# KiCad board jetson-agx-thor-baseboard.kicad_pcb (continued)
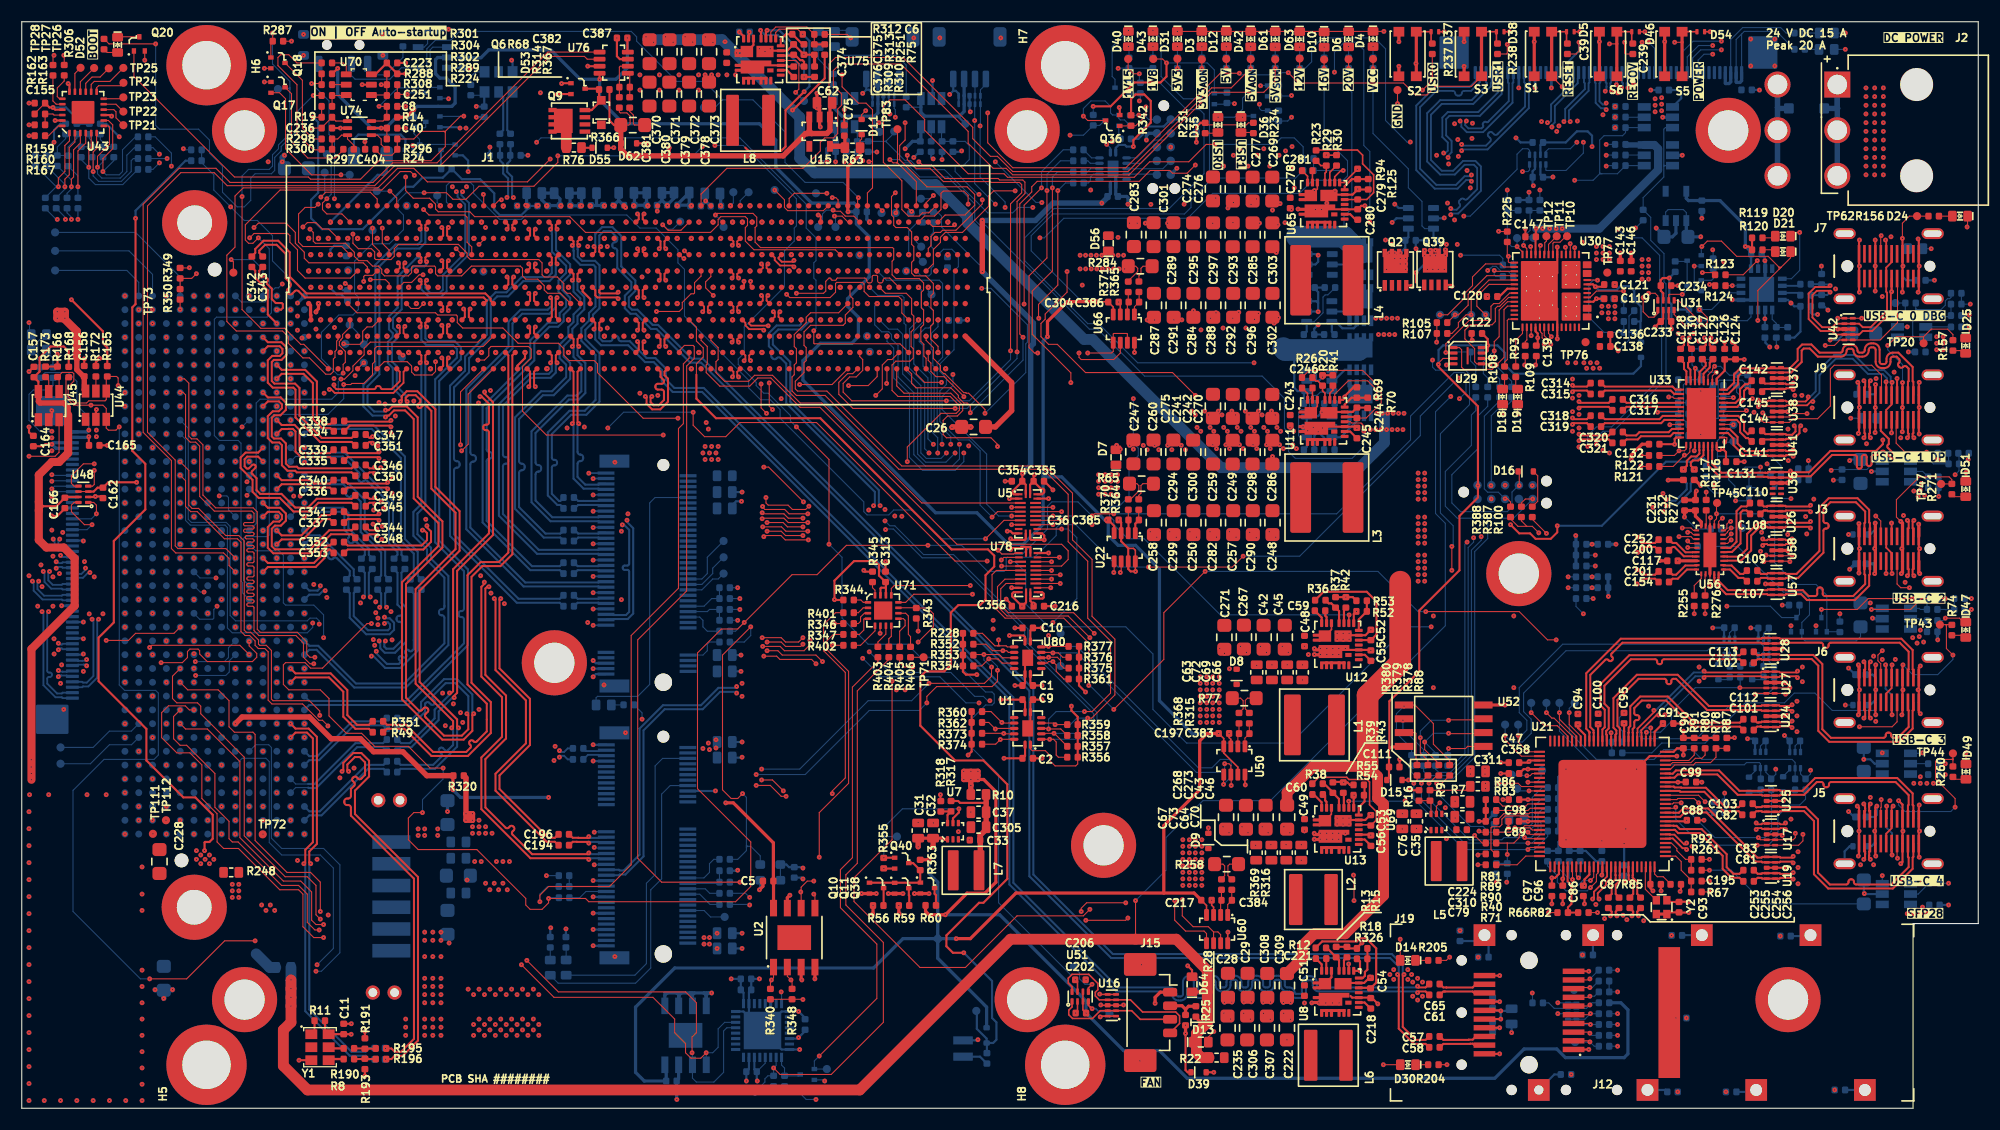
[diagram p0: board, top side]
## Library data of the parts (continued)
R102 = -: Datasheet: https://www.bourns.com/docs/product-datasheets/cr.pdf; Description: SMT Chip Resistor, 220 ohm, ± 1%, 250 mW, 1206 [3216 Metric]; MPN: CR1206-FX-2200ELF; Manufacturer: Bourns; License: Apache-2.0; Author: Antmicro; Val: 220R; Tolerance: 1%
R103-R105 R107 R157 R172 R173 R179 R180 R225 = -: Datasheet: https://www.bourns.com/docs/product-datasheets/cr.pdf; Description: SMD Chip Resistor, 4.7 kohm, ± 1%, 62.5 mW, 0402 [1005 Metric], Thick Film, General Purpose; Manufacturer: Bourns; MPN: CR0402-FX-4701GLF; Val: 4k7; License: Apache-2.0; Author: Antmicro; Tolerance: 1%
R113 R114 R188 R189 R192 R197 R372 = -: Datasheet: https://www.bourns.com/docs/product-datasheets/cr.pdf; Description: SMD Chip Resistor, 1 kohm, ± 1%, 63 mW, 0402 [1005 Metric], Thick Film, General Purpose; MPN: CR0402-FX-1001GLF; Manufacturer: Bourns; License: Apache-2.0; Author: Antmicro; Val: 1k; Tolerance: 1%
R128-R141 R265 = -: Datasheet: https://www.bourns.com/docs/product-datasheets/cr.pdf; Description: SMD Chip Resistor, 1 kohm, ± 1%, 63 mW, 0402 [1005 Metric], Thick Film, General Purpose; Manufacturer: Bourns; MPN: CR0402-FX-1001GLF; Val: 1k; License: Apache-2.0; Author: Antmicro; Tolerance: 1%
R147 R148 R364 R365 R367-R371 = -: Datasheet: https://www.bourns.com/docs/product-datasheets/cr.pdf; Description: SMD Chip Resistor, 27 ohm, ± 1%, 63 mW, 0402 [1005 Metric], Thick Film, General Purpose; Manufacturer: Bourns; MPN: CR0402-FX-27R0GLF; Val: 27R; License: Apache-2.0; Author: Antmicro; Tolerance: 1%
R154 R155 = -: Datasheet: https://www.mouser.com/datasheet/2/447/YAGEO_PYu_RC_Group_51_RoHS_L_12-3313492.pdf; Description: SMD Chip Resistor, 2 Mohm, ± 1%, 62.5 mW, 0402 [1005 Metric], Thick Film, General Purpose; MPN: RC0402FR-072ML; Manufacturer: YAGEO; License: Apache-2.0; Author: Antmicro; Val: 2M; Tolerance: 1%
R200 = -: Datasheet: https://www.bourns.com/docs/product-datasheets/cr.pdf; Description: SMD Chip Resistor, 330 ohm, ± 1%, 62.5 mW, 0402 [1005 Metric], Thick Film, General Purpose; MPN: CR0402-FX-3300GLF; Manufacturer: Bourns; License: Apache-2.0; Author: Antmicro; Val: 330R; Tolerance: 1%
R203 R220 R288 = -: Datasheet: https://www.bourns.com/docs/product-datasheets/cr.pdf; Description: SMD Chip Resistor, 47 kohm, ± 1%, 62.5 mW, 0402 [1005 Metric], Thick Film, General Purpose; MPN: CR0402-FX-4702GLF; Manufacturer: Bourns; License: Apache-2.0; Author: Antmicro; Val: 47k; Tolerance: 1%
R209 R210 = -: Datasheet: https://www.bourns.com/docs/product-datasheets/cr.pdf; Description: SMD Chip Resistor, 47 kohm, ± 1%, 62.5 mW, 0402 [1005 Metric], Thick Film, General Purpose; Manufacturer: Bourns; MPN: CR0402-FX-4702GLF; Val: 47k; License: Apache-2.0; Author: Antmicro; Tolerance: 1%
R212 R218 R219 R223 R264 = -: Datasheet: https://industrial.panasonic.com/cdbs/www-data/pdf/RDA0000/AOA0000C301.pdf; Description: SMD Chip Resistor, Jumper, 0 ohm, 100 mW, 0402 [1005 Metric], Thick Film, General Purpose; MPN: ERJ2GE0R00X; Manufacturer: Panasonic; License: Apache-2.0; Val: 0R; Current: 1A; Author: Antmicro; Public: False
R226 = -: Datasheet: https://industrial.panasonic.com/cdbs/www-data/pdf/RDA0000/AOA0000C301.pdf; Description: SMD Chip Resistor, Jumper, 0 ohm, 100 mW, 0402 [1005 Metric], Thick Film, General Purpose; Manufacturer: Panasonic; MPN: ERJ2GE0R00X; Val: 0R; License: Apache-2.0; Author: Antmicro; Current: 1A; Public: False
R239 = -: Datasheet: https://www.bourns.com/docs/product-datasheets/cr.pdf; Description: SMD Chip Resistor, 100 kohm, ± 1%, 62.5 mW, 0402 [1005 Metric], Thick Film, General Purpose; MPN: CR0402-FX-1003GLF; Manufacturer: Bourns; License: Apache-2.0; Author: Antmicro; Val: 100k; Tolerance: 1%; Current: 1A
R240 = -: Datasheet: https://www.bourns.com/docs/product-datasheets/cr.pdf; Description: SMD Chip Resistor, 470 ohm, ± 1%, 62.5 mW, 0402 [1005 Metric], Thick Film, General Purpose; MPN: CR0402-FX-4700GLF; Manufacturer: Bourns; License: Apache-2.0; Author: Antmicro; Val: 470R; Tolerance: 1%; Current: 1A
R251 = -: Datasheet: https://www.bourns.com/docs/product-datasheets/cr.pdf; Description: SMD Chip Resistor; Manufacturer: Bourns; MPN: CR0402-FX-2371GLF; Val: 2k37; License: Apache-2.0; Author: Antmicro; Tolerance: 1%
R255 R279 R280 = -: Datasheet: https://www.bourns.com/docs/product-datasheets/cr.pdf; Description: SMD Chip Resistor, 200 kohm, ± 1%, 62.5 mW, 0402 [1005 Metric], Thick Film, General Purpose; Manufacturer: Bourns; MPN: CR0402-FX-2003GLF; Val: 200k; License: Apache-2.0; Author: Antmicro; Tolerance: 1%
R261 R263 = -: Datasheet: https://www.bourns.com/docs/product-datasheets/cr.pdf; Description: SMD Chip Resistor; MPN: CR0402-FX-4302GLF; Manufacturer: Bourns; License: Apache-2.0; Author: Antmicro; Val: 43k; Tolerance: 1%
R267 = -: Datasheet: https://eu.mouser.com/datasheet/2/315/AOA0000C304-1149620.pdf; Description: SMD Chip Resistor; MPN: ERJ-2RKF8873X; Manufacturer: Panasonic; License: Apache-2.0; Author: Antmicro; Val: 887k; Tolerance: 1%
R286 = -: Datasheet: https://www.bourns.com/docs/product-datasheets/cr.pdf; Description: SMD Chip Resistor; MPN: CR0402-FX-1005GLF; Manufacturer: Bourns; License: Apache-2.0; Author: Antmicro; Val: 10M; Tolerance: 1%
R289 = -: Datasheet: https://www.bourns.com/docs/product-datasheets/cr.pdf; Description: SMD Chip Resistor, 10 kohm, ± 1%, 62.5 mW, 0402 [1005 Metric], Thick Film, General Purpose; MPN: CR0402-FX-1002GLF; Manufacturer: Bourns; License: Apache-2.0; Author: Antmicro; Val: 10k; Tolerance: 1%; Current: 1A
R296 = -: Datasheet: https://www.bourns.com/docs/product-datasheets/cr.pdf; Description: SMD Chip Resistor, 49.9 kohm, ± 1%, 63 mW, 0402 [1005 Metric], Thick Film, General Purpose; MPN: CR0402-FX-4992GLF; Manufacturer: Bourns; License: Apache-2.0; Author: Antmicro; Val: 49k9; Tolerance: 1%; Current: 1A
R308 = -: Datasheet: https://www.bourns.com/docs/product-datasheets/cr.pdf; Description: SMD Chip Resistor, 100 kohm, ± 1%, 62.5 mW, 0402 [1005 Metric], Thick Film, General Purpose; MPN: CR0402-FX-1003GLF; Manufacturer: Bourns; License: Apache-2.0; Author: Antmicro; Val: 100k; Tolerance: 1%; Public: False
R314-R316 = -: Datasheet: https://www.bourns.com/docs/product-datasheets/cr.pdf; Description: SMD Chip Resistor, 27 ohm, ± 1%, 63 mW, 0402 [1005 Metric], Thick Film, General Purpose; MPN: CR0402-FX-27R0GLF; Manufacturer: Bourns; License: Apache-2.0; Author: Antmicro; Val: 27R; Tolerance: 1%
R317 = -: Datasheet: https://www.bourns.com/docs/product-datasheets/cr.pdf; Description: SMD Chip Resistor, 30 kohm, ± 1%, 63 mW, 0402 [1005 Metric], Thick Film, General Purpose; MPN: CR0402-FX-3002GLF; Manufacturer: Bourns; License: Apache-2.0; Author: Antmicro; Val: 30k; Tolerance: 1%
R326 = -: Datasheet: https://www.bourns.com/docs/product-datasheets/cr.pdf; Description: SMD Chip Resistor, 191 kohm, ± 1%, 100 mW, 0402 [1005 Metric], Thick Film, Precision; MPN: CR0402-FX-1913GLF; Manufacturer: Bourns; License: Apache-2.0; Author: Antmicro; Val: 191k; Tolerance: 1%
R330 R331 R336 R337 = -: Datasheet: https://www.bourns.com/docs/product-datasheets/cr.pdf; Description: SMD Chip Resistor, 2.2 ohm, ± 1%, 62.5 mW, 0402 [1005 Metric], Thick Film, General Purpose; MPN: CR0402-FX-2R20GLF; Manufacturer: Bourns; License: Apache-2.0; Author: Antmicro; Val: 2R2; Tolerance: 1%
R350 = -: Datasheet: https://www.bourns.com/docs/product-datasheets/cr.pdf; Description: SMD Chip Resistor, 100 ohm, ± 1%, 62.5 mW, 0402 [1005 Metric], Thick Film, General Purpose; MPN: CR0402-FX-1000GLF; Manufacturer: Bourns; License: Apache-2.0; Author: Antmicro; Val: 100R; Tolerance: 1%
S1-S3 S5 S6 = -: Datasheet: http://www.farnell.com/datasheets/2631211.pdf; Description: Tactile Switch, KMR 2 Series, Top Actuated, Surface Mount, Oval Button, 120 gf, 50mA at 32VDC; MPN: KMR211NGLFS; Manufacturer: C&K; Author: Antmicro; License: Apache-2.0
SW2 = -: Datasheet: https://www.mouser.com/datasheet/2/60/pcm-1841544.pdf; Description: Slide switch; Manufacturer: C&K; MPN: PCM12SMTR; Author: Antmicro; License: Apache-2.0
TP1-TP115 = -: Description: SMT test point; Author: Antmicro; License: Apache-2.0
U1 U80 = -: Datasheet: https://www.nxp.com/docs/en/data-sheet/NTS0104.pdf; Description: Voltage Level Translator Bidirectional 1 Circuit 4 Channel 50Mbps 14-DHVQFN (2.5x3); MPN: NTS0104BQ; Manufacturer: NXP; Author: Antmicro; License: Apache-2.0
U2 U54 = -: Datasheet: https://ww1.microchip.com/downloads/aemDocuments/documents/MPD/ProductDocuments/DataSheets/20006330A.pdf; Description: EEPROM, 1 Kbit, 128 x 8bit, Serial I2C (2-Wire), 1 MHz, SOIC-8; Manufacturer: Microchip Technology; MPN: AT24CS01-SSHM-B; Author: Antmicro; License: Apache-2.0
U5 U78 = -: Datasheet: https://www.ti.com/lit/ds/symlink/sn74axc8t245.pdf?ts=1702327536011; Description: 8-bit dual-supply bus transceiver; MPN: SN74AXC8T245RJWR; Manufacturer: Texas Instruments; Author: Antmicro; License: Apache-2.0
U6 U61-U64 = -: Datasheet: https://www.analog.com/media/en/technical-documentation/data-sheets/4412fb.pdf; Description: Ideal diode controller; MPN: LTC4412IS6#TRMPBF; Manufacturer: Analog Devices; Author: Antmicro; License: Apache-2.0
U7 U69 = -: Datasheet: https://www.ti.com/lit/ds/symlink/tps564247.pdf?ts=1713526387938&ref_url=https%253A%252F%252Fwww.mouser.pl%252F; Description: Switching Voltage Regulators 3-V to 16-V input voltage, 4-A FCCM mode, synchronous buck converter in SOT-563 package 6-SOT-5X3 -40 to 125; Author: Antmicro; License: Apache-2.0; Manufacturer: Texas Instruments
U8 U11-U13 U65 U75 = -: Datasheet: https://www.vishay.com/docs/74589/sic431.pdf; Description: DC/DC Synchronous Regulator, Adjustable, 3V to 24VIn, 0.6V to 22V/24AOut, 1MHz, MLP44-24L; Manufacturer: Vishay; Author: Antmicro; License: Apache-2.0
U14 = -: Datasheet: https://eu.mouser.com/datasheet/2/196/Infineon_OPTIGA_TPM_SLB_9673_FW26_DataSheet_v01_30-3363760.pdf; Description: Security ICs / Authentication ICs; Manufacturer: Infineon; Author: Antmicro; License: Apache-2.0
U15 U32 = -: Datasheet: https://www.mouser.com/datasheet/2/308/NCP718_D-1224359.pdf; Description: Linear Voltage Regulator IC Positive Fixed 1 Output 300mA TSOT-23-5; Manufacturer: ON Semiconductor; Author: Antmicro; License: Apache-2.0
U16 U17 U19 U24-U28 U36-U38 U41 U42 U57 U58 U67 U68 U73 = -: Datasheet: https://www.ti.com/lit/ds/symlink/tpd4e05u06-q1.pdf?HQS=dis-mous-null-mousermode-dsf-pf-null-wwe&ts=1663591265741&ref_url=https%253A%252F%252Fwww.mouser.com%252F; Description: TVS diode array, 12 kV, USON-10, 5.5 V, 0.5 pF; Manufacturer: Texas Instruments; Author: Antmicro; License: Apache-2.0
U18 U20 U23 U35 U40 U44-U47 U53 U55 = -: Datasheet: https://www.mouser.com/datasheet/2/115/DIOD_S_A0008958405_1-2543193.pdf; Description: Power Load Distribution Switch, High Side, Active High, 1 Output, 5.5 V, 3.6 A, 0.04 ohm, TSOT-26-6; MPN: AP22615AWU-7; Manufacturer: Diodes Incorporated; Author: Antmicro; License: Apache-2.0
U21 = -: Datasheet: https://ww1.microchip.com/downloads/en/DeviceDoc/00003852A.pdf; Description: 4-Port USB 3.2 Hub, 2x Type-C with Power Delivery support, 1x USB 3.2, 1x USB 2.0; MPN: USB7252CT-I/KDX; Manufacturer: Microchip Technology; Author: Antmicro; License: Apache-2.0
U22 U50 U60 U66 U76 = -: Datasheet: https://www.ti.com/lit/ds/symlink/ina219.pdf?ts=1713856455637&ref_url=https%253A%252F%252Fwww.mouser.es%252F; Description: Zerø-Drift, Bidirectional Current/Power Monitor With I2C Interface; Manufacturer: Texas Instruments; Author: Antmicro; License: Apache-2.0
U29 = -: Datasheet: https://www.mouser.com/datasheet/2/949/w25q80dv_dl_revh_10022015-1489677.pdf; Description: FLASH - NOR Memory IC 8Mbit SPI - Quad I/O 104 MHz 8-USON (2x3); MPN: W25Q80DVUXIE TR; Manufacturer: Winbond; Author: Antmicro; License: Apache-2.0
U30 = -: Datasheet: https://www.ti.com/lit/ds/symlink/tps65988.pdf?ts=1662726631004&ref_url=https%253A%252F%252Fwww.ti.com%252Fproduct%252FTPS65988; Description: USB, Type-C Controller PMIC 56-VQFN (7x7); Manufacturer: Texas Instruments; License: Apache-2.0; Author: Antmicro
U31 U48 U49 U51 = -: Datasheet: http://www.farnell.com/datasheets/1760723.pdf; Description: Transceiver, 1.65 V to 3.6 V, XSON-8; MPN: NTS0102GT; Manufacturer: NXP; Author: Antmicro; License: Apache-2.0
U33 = -: Datasheet: https://www.ti.com/lit/ds/sllsew2d/sllsew2d.pdf?ts=1662107117482&ref_url=https%253A%252F%252Fwww.google.com%252F; Description: Analog & Digital Crosspoint ICs USB Type-C DP ALT Mode, 10-Gbps linear redriver crosspoint switch 40-WQFN 0°C to 70°C; MPN: TUSB1046-DCIRNQT; Manufacturer: Texas Instruments; Author: Antmicro; License: Apache-2.0
U34 = -: Datasheet: https://ftdichip.com/wp-content/uploads/2021/10/DS_FT230X.pdf; Description: USB Interface, USB-UART Converter, USB 2.0, 2.97 V, 5.5 V, QFN, 16 Pins; Manufacturer: FTDI Chip; MPN: FT230XQ-R; Author: Antmicro; License: Apache-2.0
U43 = -: Datasheet: https://www.mouser.com/datasheet/2/115/DIOD_S_A0003139195_1-2542233.pdf; Description: Logic signal switch/multiplexer/decoder; Manufacturer: Diodes Incorporated; Author: Antmicro; License: Apache-2.0
U52 = -: Datasheet: https://www.mouser.com/datasheet/3/282/1/SST26VF064B-SST26VF064BA-2-5V-3-0V-64-Mbit-Serial-Quad-IO--SQI--Flash-Memory-20005119K.pdf; Description: 64-Mbit 2.3V-3.6V, SQI Flash Memory, -40°C to +85°C; MPN: SST26VF064B-104I/SM; Manufacturer: Microchip Technology; Author: Antmicro; License: Apache-2.0
U56 = -: Datasheet: https://www.ti.com/lit/ds/symlink/hd3ss3220.pdf?ts=1663000043694&ref_url=https%253A%252F%252Fwww.google.com%252F; Description: USB Interface IC 10-Gbps USB 3.1 Type-C 2:1 mux with DRP Controller 30-WQFN -40°C to 85°C; Manufacturer: Texas Instruments; Author: Antmicro; License: Apache-2.0
U59 = -: Datasheet: https://www.ti.com/lit/ds/symlink/txu0304.pdf?ts=1637748643258&ref_url=https%253A%252F%252Fwww.ti.com%252Fproduct%252FTXU0304; Description: Logic translator/level shifter; Manufacturer: Texas Instruments; Author: Antmicro; License: Apache-2.0
U70 = -: Datasheet: https://datasheets.maximintegrated.com/en/ds/MAX16150.pdf; Description: Pushbutton On/Off Controller, Latched Output, 1.3 to 5.5 V Supply, 50 ms Debounce Time, SOT-23-6; Manufacturer: Maxim Integrated Products; MPN: MAX16150AUT+T; License: Apache-2.0; Author: Antmicro
U71 = -: Datasheet: https://eu.mouser.com/datasheet/2/302/PCAL6408A-3139197.pdf; Description: I/O Expander, 8 bit, I2C, 1.65-5.5 V, HVQFN, 16 Pins; MPN: PCAL6408ABSHP; Manufacturer: NXP; Author: Antmicro; License: Apache-2.0
U72 = -: Datasheet: https://www.ti.com/lit/ds/symlink/tps3840.pdf?HQS=dis-mous-null-mousermode-dsf-pf-null-wwe&DCM=yes&ref_url=https%3A%2F%2Fwww.mouser.com%2F&distId=26; Description: Voltage supervisor; Manufacturer: Texas Instruments; Author: Antmicro; License: Apache-2.0; ki_fp_filters: DBV0005A_N DBV0005A_M DBV0005A_L
U74 = -: Datasheet: https://www.ti.com/lit/gpn/sn74lvc2g07; Description: Buffer / Line Driver, SN74LVC2G07DCKR, 1.65 V to 5.5 V, SC-70-5; Manufacturer: Texas Instruments; Author: Antmicro; License: Apache-2.0
Y1 = -: Datasheet: https://www.diodes.com/assets/Datasheets/NX324.pdf; Description: 100 MHz XO (Standard) HCSL Oscillator 3.3V Enable/Disable 6-SMD, No Lead; Manufacturer: Diodes Incorporated; MPN: NX3241E0100.000000; Val: 100 MHz; Author: Antmicro; License: Apache-2.0
Y2 = -: Datasheet: https://ecsxtal.com/store/pdf/ECS-2016MV.pdf; Description: Oscillator, 25 MHz, HCMOS, SMD, 2mm x 1.6mm, MultiVolt ECS-2016MV Series; MPN: ECS-2016MV-250-CN-TR; Manufacturer: ECS Inc. International; Val: 25 MHz; Author: Antmicro; License: Apache-2.0
Y3 = -: Datasheet: https://ecsxtal.com/store/pdf/ECS-327MVATX.pdf; Description: 32.768 kHz XO (Standard) CMOS Oscillator 1.6V ~ 3.6V Enable/Disable 4-SMD, No Lead; Manufacturer: ECS Inc. International; MPN: ECS-327MVATX-2-CN-TR3; Val: 32.768 kHz; Author: Antmicro; License: Apache-2.0
Y5 = -: Datasheet: https://eu.mouser.com/datasheet/2/3/AK3LP-3318362.pdf; Description: 156.25 MHz XO (Standard) HCSL Oscillator 3.3V Enable/Disable 6-SMD, +/-25ppm; MPN: AK3LPHEF1-156.2500T; Manufacturer: Abracon; Val: 156.25MHz; Author: Antmicro; License: Apache-2.0

## Footprints (pads in the part's own frame, mm; a bottom-side part is the same pattern mirrored in y, then rotated)
ASP-218650-01_mounting_holes
  round 6 hole 3.2 unplated: (-31.5,-1.88) (31.5,-1.84)
  round 1.27 hole 1.27 unplated: (-27.19,-3.05) (27.19,0)
  round 0.64 smd: A01(24.765,5.715) A02(23.495,5.715) A03(22.225,5.715) A04(20.955,5.715) A05(19.685,5.715) A06(18.415,5.715) A07(17.145,5.715) A08(15.875,5.715) A09(14.605,5.715) A10(13.335,5.715) A11(12.065,5.715) A12(10.795,5.715) A13(9.525,5.715) A14(8.255,5.715) A15(6.985,5.715) A16(5.715,5.715) A17(4.445,5.715) A18(3.175,5.715) A19(1.905,5.715) A20(0.635,5.715) A21(-0.635,5.715) A22(-1.905,5.715) A23(-3.175,5.715) A24(-4.445,5.715) A25(-5.715,5.715) A26(-6.985,5.715) A27(-8.255,5.715) A28(-9.525,5.715) A29(-10.795,5.715) A30(-12.065,5.715) A31(-13.335,5.715) A32(-14.605,5.715) A33(-15.875,5.715) A34(-17.145,5.715) A35(-18.415,5.715) A36(-19.685,5.715) A37(-20.955,5.715) A38(-22.225,5.715) A39(-23.495,5.715) A40(-24.765,5.715) B01(24.765,4.445) B02(23.495,4.445) B03(22.225,4.445) B04(20.955,4.445) B05(19.685,4.445) B06(18.415,4.445) B07(17.145,4.445) B08(15.875,4.445) B09(14.605,4.445) B10(13.335,4.445) B11(12.065,4.445) B12(10.795,4.445) B13(9.525,4.445) B14(8.255,4.445) B15(6.985,4.445) B16(5.715,4.445) B17(4.445,4.445) B18(3.175,4.445) B19(1.905,4.445) B20(0.635,4.445) B21(-0.635,4.445) B22(-1.905,4.445) B23(-3.175,4.445) B24(-4.445,4.445) B25(-5.715,4.445) B26(-6.985,4.445) B27(-8.255,4.445) B28(-9.525,4.445) B29(-10.795,4.445) B30(-12.065,4.445) B31(-13.335,4.445) B32(-14.605,4.445) B33(-15.875,4.445) B34(-17.145,4.445) B35(-18.415,4.445) B36(-19.685,4.445) B37(-20.955,4.445) B38(-22.225,4.445) B39(-23.495,4.445) B40(-24.765,4.445) C01(24.765,3.175) C02(23.495,3.175) C03(22.225,3.175) C04(20.955,3.175) C05(19.685,3.175) C06(18.415,3.175) C07(17.145,3.175) C08(15.875,3.175) C09(14.605,3.175) C10(13.335,3.175) C11(12.065,3.175) C12(10.795,3.175) C13(9.525,3.175) C14(8.255,3.175) C15(6.985,3.175) C16(5.715,3.175) C17(4.445,3.175) C18(3.175,3.175) C19(1.905,3.175) C20(0.635,3.175) C21(-0.635,3.175) C22(-1.905,3.175) C23(-3.175,3.175) C24(-4.445,3.175) C25(-5.715,3.175) C26(-6.985,3.175) C27(-8.255,3.175) C28(-9.525,3.175) C29(-10.795,3.175) C30(-12.065,3.175) C31(-13.335,3.175) C32(-14.605,3.175) C33(-15.875,3.175) C34(-17.145,3.175) C35(-18.415,3.175) C36(-19.685,3.175) C37(-20.955,3.175) C38(-22.225,3.175) C39(-23.495,3.175) C40(-24.765,3.175) D01(24.765,1.905) D02(23.495,1.905) D03(22.225,1.905) D04(20.955,1.905) D05(19.685,1.905) D06(18.415,1.905) D07(17.145,1.905) D08(15.875,1.905) D09(14.605,1.905) D10(13.335,1.905) D11(12.065,1.905) D12(10.795,1.905) D13(9.525,1.905) D14(8.255,1.905) D15(6.985,1.905) D16(5.715,1.905) D17(4.445,1.905) D18(3.175,1.905) D19(1.905,1.905) D20(0.635,1.905) D21(-0.635,1.905) D22(-1.905,1.905) D23(-3.175,1.905) D24(-4.445,1.905) D25(-5.715,1.905) D26(-6.985,1.905) D27(-8.255,1.905) D28(-9.525,1.905) D29(-10.795,1.905) D30(-12.065,1.905) D31(-13.335,1.905) D32(-14.605,1.905) D33(-15.875,1.905) D34(-17.145,1.905) D35(-18.415,1.905) D36(-19.685,1.905) D37(-20.955,1.905) D38(-22.225,1.905) D39(-23.495,1.905) D40(-24.765,1.905) E01(24.765,0.635) E02(23.495,0.635) E03(22.225,0.635) E04(20.955,0.635) E05(19.685,0.635) E06(18.415,0.635) E07(17.145,0.635) E08(15.875,0.635) E09(14.605,0.635) E10(13.335,0.635) E11(12.065,0.635) E12(10.795,0.635) E13(9.525,0.635) E14(8.255,0.635) E15(6.985,0.635) E16(5.715,0.635) E17(4.445,0.635) E18(3.175,0.635) E19(1.905,0.635) E20(0.635,0.635) E21(-0.635,0.635) E22(-1.905,0.635) E23(-3.175,0.635) E24(-4.445,0.635) E25(-5.715,0.635) E26(-6.985,0.635) E27(-8.255,0.635) E28(-9.525,0.635) E29(-10.795,0.635) E30(-12.065,0.635) E31(-13.335,0.635) E32(-14.605,0.635) E33(-15.875,0.635) E34(-17.145,0.635) E35(-18.415,0.635) E36(-19.685,0.635) E37(-20.955,0.635) E38(-22.225,0.635) E39(-23.495,0.635) E40(-24.765,0.635) F01(24.765,-0.635) F02(23.495,-0.635) F03(22.225,-0.635) F04(20.955,-0.635) F05(19.685,-0.635) F06(18.415,-0.635) F07(17.145,-0.635) F08(15.875,-0.635) F09(14.605,-0.635) F10(13.335,-0.635) F11(12.065,-0.635) F12(10.795,-0.635) F13(9.525,-0.635) F14(8.255,-0.635) F15(6.985,-0.635) F16(5.715,-0.635) F17(4.445,-0.635) F18(3.175,-0.635) F19(1.905,-0.635) F20(0.635,-0.635) F21(-0.635,-0.635) F22(-1.905,-0.635) F23(-3.175,-0.635) F24(-4.445,-0.635) F25(-5.715,-0.635) F26(-6.985,-0.635) F27(-8.255,-0.635) F28(-9.525,-0.635) F29(-10.795,-0.635) F30(-12.065,-0.635) F31(-13.335,-0.635) F32(-14.605,-0.635) F33(-15.875,-0.635) F34(-17.145,-0.635) F35(-18.415,-0.635) F36(-19.685,-0.635) F37(-20.955,-0.635) F38(-22.225,-0.635) F39(-23.495,-0.635) F40(-24.765,-0.635) G01(24.765,-1.905) G02(23.495,-1.905) G03(22.225,-1.905) G04(20.955,-1.905) G05(19.685,-1.905) G06(18.415,-1.905) G07(17.145,-1.905) G08(15.875,-1.905) G09(14.605,-1.905) G10(13.335,-1.905) G11(12.065,-1.905) G12(10.795,-1.905) G13(9.525,-1.905) G14(8.255,-1.905) G15(6.985,-1.905) G16(5.715,-1.905) G17(4.445,-1.905) G18(3.175,-1.905) G19(1.905,-1.905) G20(0.635,-1.905) G21(-0.635,-1.905) G22(-1.905,-1.905) G23(-3.175,-1.905) G24(-4.445,-1.905) G25(-5.715,-1.905) G26(-6.985,-1.905) G27(-8.255,-1.905) G28(-9.525,-1.905) G29(-10.795,-1.905) G30(-12.065,-1.905) G31(-13.335,-1.905) G32(-14.605,-1.905) G33(-15.875,-1.905) G34(-17.145,-1.905) G35(-18.415,-1.905) G36(-19.685,-1.905) G37(-20.955,-1.905) G38(-22.225,-1.905) G39(-23.495,-1.905) G40(-24.765,-1.905) H01(24.765,-3.175) H02(23.495,-3.175) H03(22.225,-3.175) H04(20.955,-3.175) H05(19.685,-3.175) H06(18.415,-3.175) H07(17.145,-3.175) H08(15.875,-3.175) H09(14.605,-3.175) H10(13.335,-3.175) H11(12.065,-3.175) H12(10.795,-3.175) H13(9.525,-3.175) H14(8.255,-3.175) H15(6.985,-3.175) H16(5.715,-3.175) H17(4.445,-3.175) H18(3.175,-3.175) H19(1.905,-3.175) H20(0.635,-3.175) H21(-0.635,-3.175) H22(-1.905,-3.175) H23(-3.175,-3.175) H24(-4.445,-3.175) H25(-5.715,-3.175) H26(-6.985,-3.175) H27(-8.255,-3.175) H28(-9.525,-3.175) H29(-10.795,-3.175) H30(-12.065,-3.175) H31(-13.335,-3.175) H32(-14.605,-3.175) H33(-15.875,-3.175) H34(-17.145,-3.175) H35(-18.415,-3.175) H36(-19.685,-3.175) H37(-20.955,-3.175) H38(-22.225,-3.175) H39(-23.495,-3.175) H40(-24.765,-3.175) J01(24.765,-4.445) J02(23.495,-4.445) J03(22.225,-4.445) J04(20.955,-4.445) J05(19.685,-4.445) J06(18.415,-4.445) J07(17.145,-4.445) J08(15.875,-4.445) J09(14.605,-4.445) J10(13.335,-4.445) J11(12.065,-4.445) J12(10.795,-4.445) J13(9.525,-4.445) J14(8.255,-4.445) J15(6.985,-4.445) J16(5.715,-4.445) J17(4.445,-4.445) J18(3.175,-4.445) J19(1.905,-4.445) J20(0.635,-4.445) J21(-0.635,-4.445) J22(-1.905,-4.445) J23(-3.175,-4.445) J24(-4.445,-4.445) J25(-5.715,-4.445) J26(-6.985,-4.445) J27(-8.255,-4.445) J28(-9.525,-4.445) J29(-10.795,-4.445) J30(-12.065,-4.445) J31(-13.335,-4.445) J32(-14.605,-4.445) J33(-15.875,-4.445) J34(-17.145,-4.445) J35(-18.415,-4.445) J36(-19.685,-4.445) J37(-20.955,-4.445) J38(-22.225,-4.445) J39(-23.495,-4.445) J40(-24.765,-4.445) K01(24.765,-5.715) K02(23.495,-5.715) K03(22.225,-5.715) K04(20.955,-5.715) K05(19.685,-5.715) K06(18.415,-5.715) K07(17.145,-5.715) K08(15.875,-5.715) K09(14.605,-5.715) K10(13.335,-5.715) K11(12.065,-5.715) K12(10.795,-5.715) K13(9.525,-5.715) K14(8.255,-5.715) K15(6.985,-5.715) K16(5.715,-5.715) K17(4.445,-5.715) K18(3.175,-5.715) K19(1.905,-5.715) K20(0.635,-5.715) K21(-0.635,-5.715) K22(-1.905,-5.715) K23(-3.175,-5.715) K24(-4.445,-5.715) K25(-5.715,-5.715) K26(-6.985,-5.715) K27(-8.255,-5.715) K28(-9.525,-5.715) K29(-10.795,-5.715) K30(-12.065,-5.715) K31(-13.335,-5.715) K32(-14.605,-5.715) K33(-15.875,-5.715) K34(-17.145,-5.715) K35(-18.415,-5.715) K36(-19.685,-5.715) K37(-20.955,-5.715) K38(-22.225,-5.715) K39(-23.495,-5.715) K40(-24.765,-5.715) L01(24.765,-6.985) L02(23.495,-6.985) L03(22.225,-6.985) L04(20.955,-6.985) L05(19.685,-6.985) L06(18.415,-6.985) L07(17.145,-6.985) L08(15.875,-6.985) L09(14.605,-6.985) L10(13.335,-6.985) L11(12.065,-6.985) L12(10.795,-6.985) L13(9.525,-6.985) L14(8.255,-6.985) L15(6.985,-6.985) L16(5.715,-6.985) L17(4.445,-6.985) L18(3.175,-6.985) L19(1.905,-6.985) L20(0.635,-6.985) L21(-0.635,-6.985) L22(-1.905,-6.985) L23(-3.175,-6.985) L24(-4.445,-6.985) L25(-5.715,-6.985) L26(-6.985,-6.985) L27(-8.255,-6.985) L28(-9.525,-6.985) L29(-10.795,-6.985) L30(-12.065,-6.985) L31(-13.335,-6.985) L32(-14.605,-6.985) L33(-15.875,-6.985) L34(-17.145,-6.985) L35(-18.415,-6.985) L36(-19.685,-6.985) L37(-20.955,-6.985) L38(-22.225,-6.985) L39(-23.495,-6.985) L40(-24.765,-6.985) M01(24.765,-8.255) M02(23.495,-8.255) M03(22.225,-8.255) M04(20.955,-8.255) M05(19.685,-8.255) M06(18.415,-8.255) M07(17.145,-8.255) M08(15.875,-8.255) M09(14.605,-8.255) M10(13.335,-8.255) M11(12.065,-8.255) M12(10.795,-8.255) M13(9.525,-8.255) M14(8.255,-8.255) M15(6.985,-8.255) M16(5.715,-8.255) M17(4.445,-8.255) M18(3.175,-8.255) M19(1.905,-8.255) M20(0.635,-8.255) M21(-0.635,-8.255) M22(-1.905,-8.255) M23(-3.175,-8.255) M24(-4.445,-8.255) M25(-5.715,-8.255) M26(-6.985,-8.255) M27(-8.255,-8.255) M28(-9.525,-8.255) M29(-10.795,-8.255) M30(-12.065,-8.255) M31(-13.335,-8.255) M32(-14.605,-8.255) M33(-15.875,-8.255) M34(-17.145,-8.255) M35(-18.415,-8.255) M36(-19.685,-8.255) M37(-20.955,-8.255) M38(-22.225,-8.255) M39(-23.495,-8.255) M40(-24.765,-8.255) Y01(24.765,8.255) Y02(23.495,8.255) Y03(22.225,8.255) Y04(20.955,8.255) Y05(19.685,8.255) Y06(18.415,8.255) Y07(17.145,8.255) Y08(15.875,8.255) Y09(14.605,8.255) Y10(13.335,8.255) Y11(12.065,8.255) Y12(10.795,8.255) Y13(9.525,8.255) Y14(8.255,8.255) Y15(6.985,8.255) Y16(5.715,8.255) Y17(4.445,8.255) Y18(3.175,8.255) Y19(1.905,8.255) Y20(0.635,8.255) Y21(-0.635,8.255) Y22(-1.905,8.255) Y23(-3.175,8.255) Y24(-4.445,8.255) Y25(-5.715,8.255) Y26(-6.985,8.255) Y27(-8.255,8.255) Y28(-9.525,8.255) Y29(-10.795,8.255) Y30(-12.065,8.255) Y31(-13.335,8.255) Y32(-14.605,8.255) Y33(-15.875,8.255) Y34(-17.145,8.255) Y35(-18.415,8.255) Y36(-19.685,8.255) Y37(-20.955,8.255) Y38(-22.225,8.255) Y39(-23.495,8.255) Y40(-24.765,8.255) Z01(24.765,6.985) Z02(23.495,6.985) Z03(22.225,6.985) Z04(20.955,6.985) Z05(19.685,6.985) Z06(18.415,6.985) Z07(17.145,6.985) Z08(15.875,6.985) Z09(14.605,6.985) Z10(13.335,6.985) Z11(12.065,6.985) Z12(10.795,6.985) Z13(9.525,6.985) Z14(8.255,6.985) Z15(6.985,6.985) Z16(5.715,6.985) Z17(4.445,6.985) Z18(3.175,6.985) Z19(1.905,6.985) Z20(0.635,6.985) Z21(-0.635,6.985) Z22(-1.905,6.985) Z23(-3.175,6.985) Z24(-4.445,6.985) Z25(-5.715,6.985) Z26(-6.985,6.985) Z27(-8.255,6.985) Z28(-9.525,6.985) Z29(-10.795,6.985) Z30(-12.065,6.985) Z31(-13.335,6.985) Z32(-14.605,6.985) Z33(-15.875,6.985) Z34(-17.145,6.985) Z35(-18.415,6.985) Z36(-19.685,6.985) Z37(-20.955,6.985) Z38(-22.225,6.985) Z39(-23.495,6.985) Z40(-24.765,6.985)